# Altium PCB carrier_pcb.PcbDoc (part 2 of 3)
Units mm, origin at the board's own origin, x right, y up, seen from the top; angles counter-clockwise.
Board outline 87.63 x 93.34 mm, 6 copper layers (Top, GND-1, Layer 1, Layer 2, GND-2, Bottom), stack 1.536 mm thick; 197 components, 115 nets, 788 pads, 714 vias.
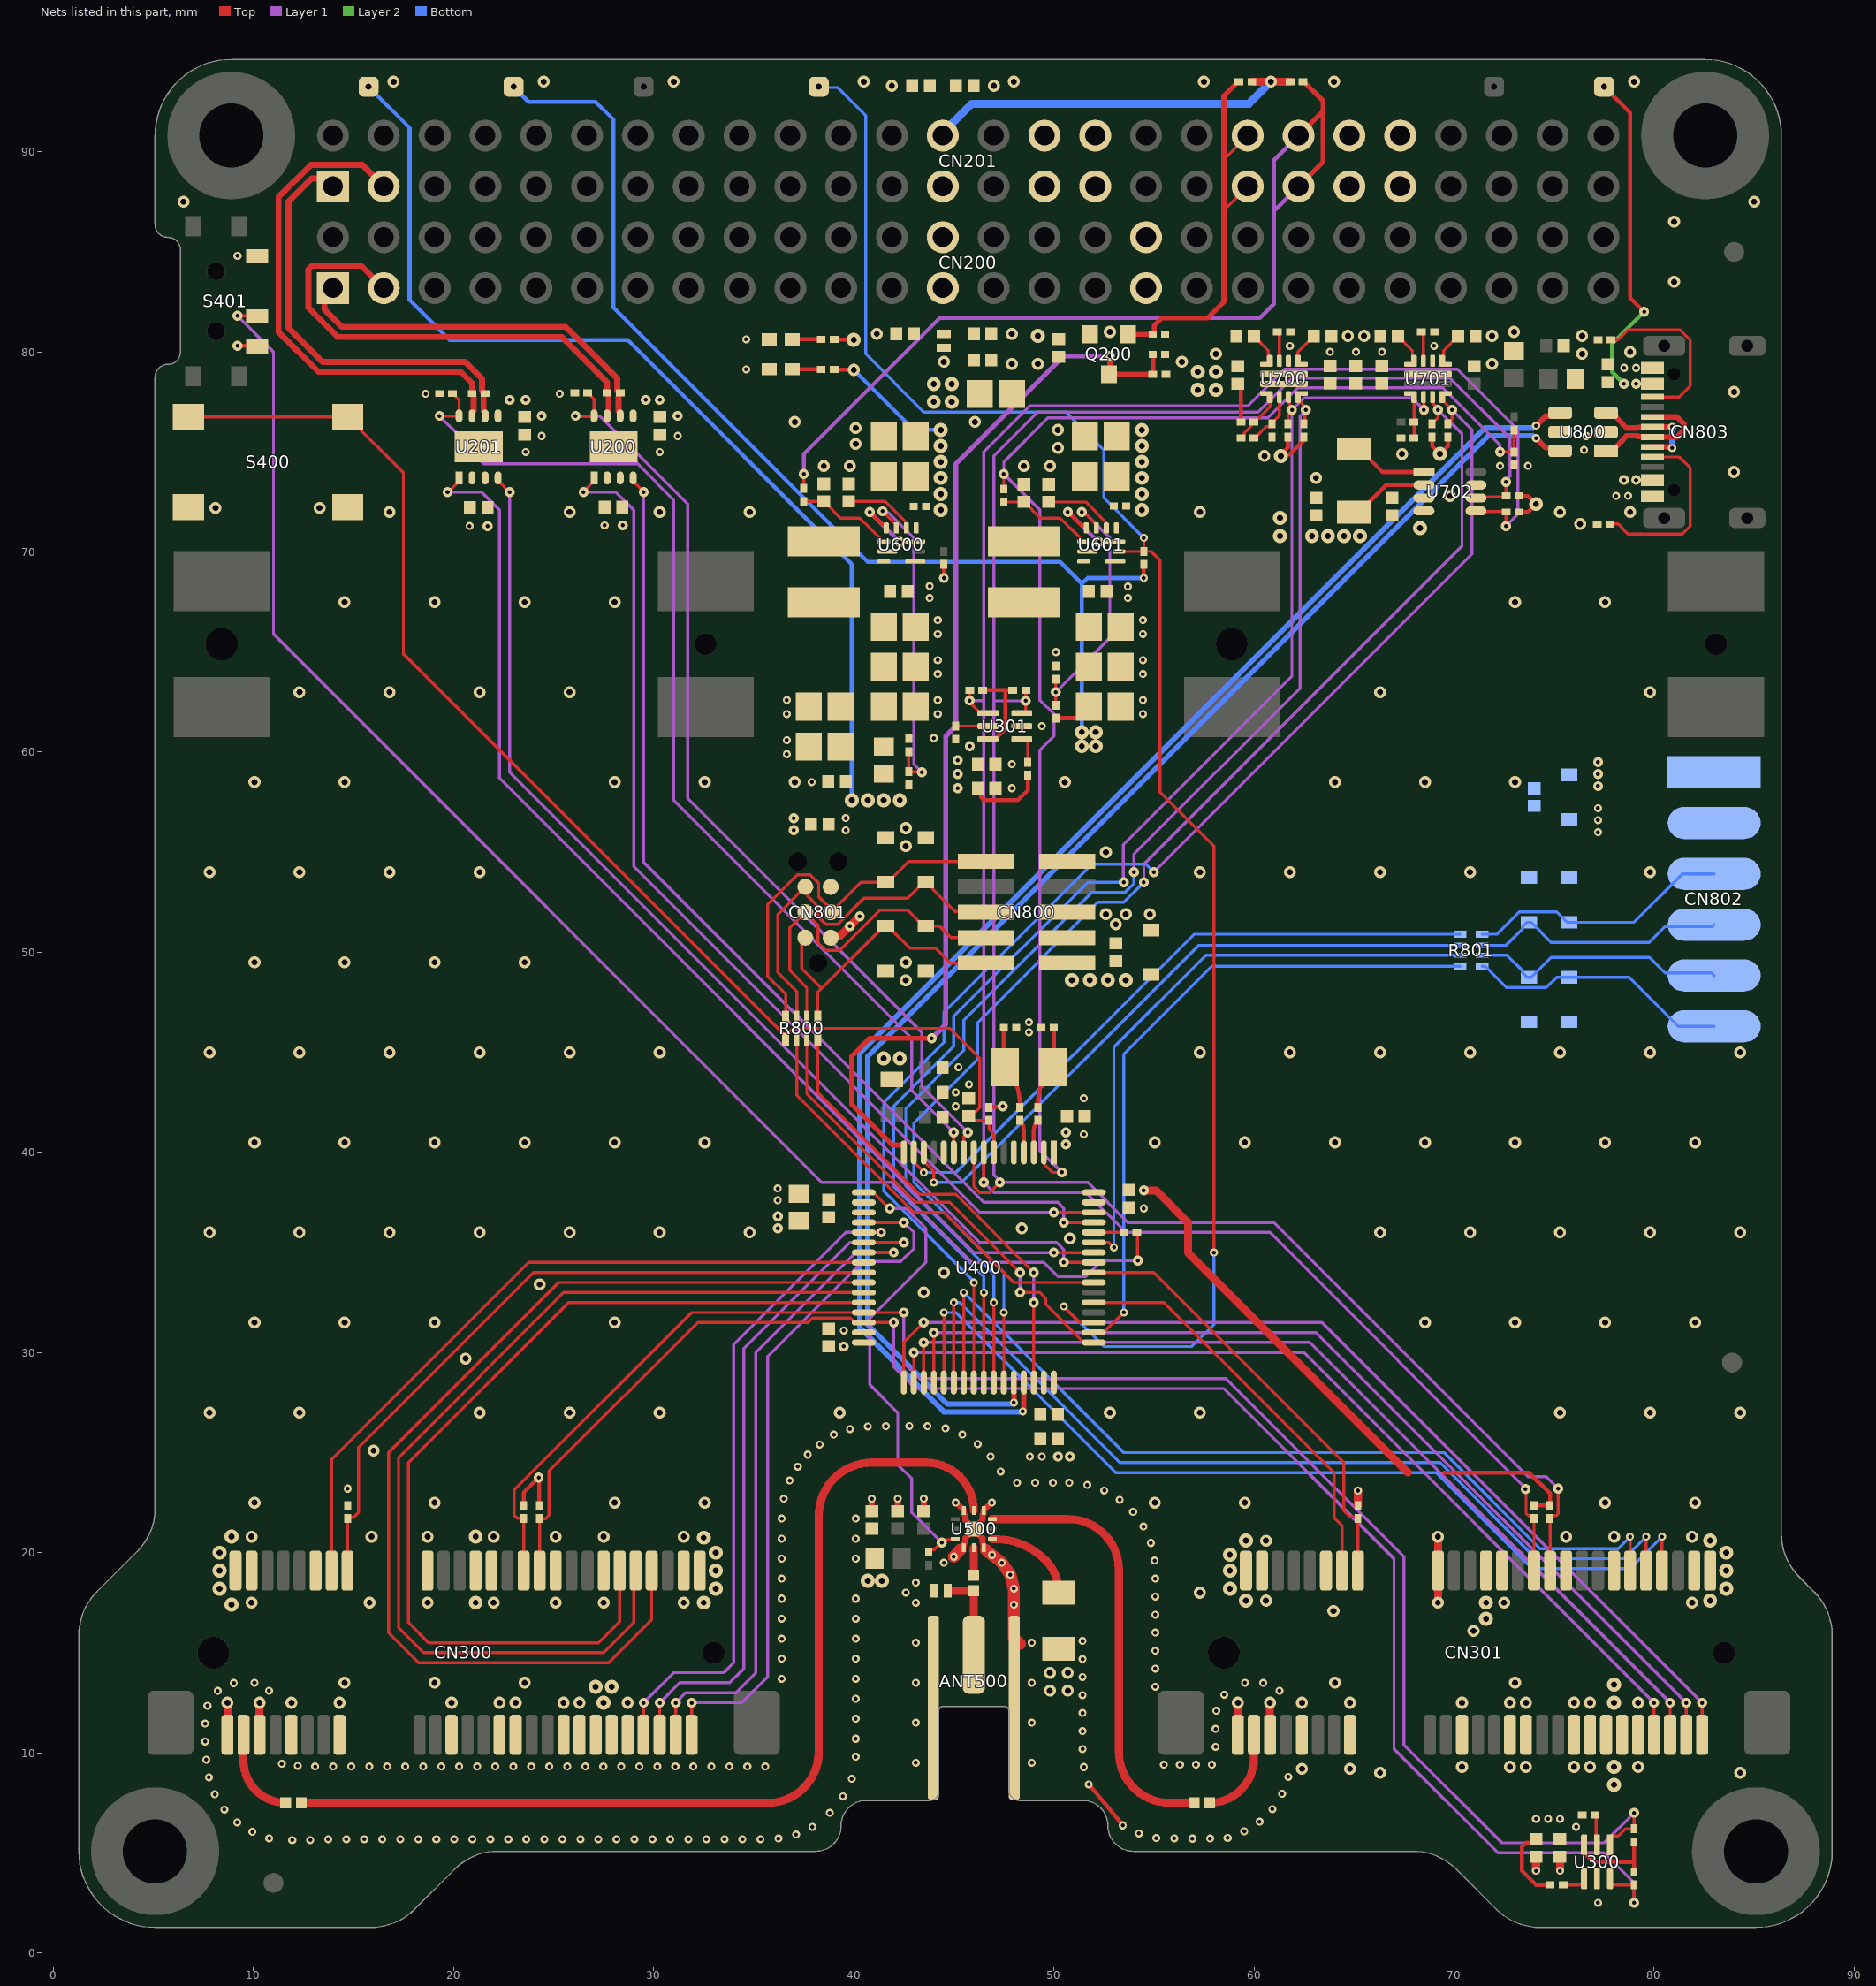
[diagram p6: the nets of this part, all layers, seen from the top]

## Part data (continued)
R300 R301 R400 R401 R501 R608 R609: library part AF0201FR-0710KL, "RES SMD 10K OHM 1% 1/20W 0201", Device Package="0201 (0603 Metric)", manufacturer=Yageo, Operating Temperature="-55°C ~ 125°C", Power (Watts)="0.05W, 1/20W", Ratings=AEC-Q200, Supplier Device Package=0201, Supplier Part Number 1=13-AF0201FR-0710KLCT-ND, Temperature Coefficient=±200ppm/°C, Tolerance=±1%, ComponentLink1Description=Datasheet, ComponentLink1URL=https://www.yageo.com/upload/media/product/productsearch/datasheet/rchip/PYu-AF_51_RoHS_L_9.pdf, componentlink2description="DigiKey Link", componentlink2url=https://www.digikey.com/en/products/detail/yageo/AF0201FR-0710KL/5900138, Composition="Thick Film", Features="Anti-Sulfur, Automotive AEC-Q200", Height - Seated (Max)="0.010\" (0.26mm)", lastupdated="04/06/2024 19:11:47", Lifecycle Status=Active, Minimum Order=1, Number of Terminations=2, Package / Case="0201 (0603 Metric)", packaging=TapeAndReel, Part Number=AF0201FR-0710KL, Part Status=Active, partid=78061, price=0.01, Resistance="10 kOhms", series=AF, Size / Dimension="0.024\" L x 0.012\" W (0.60mm x 0.30mm)", Supplier 1=DigiKey
R302 R303 R304 R305 R306 R307 R310 R311 R711 R712: library part AC0201FR-074K7L, "RES SMD 4.7K OHM 1% 1/20W 0201", Device Package="0201 (0603 Metric)", manufacturer=Yageo, Operating Temperature="-55°C ~ 155°C", Power (Watts)="0.05W, 1/20W", Ratings=AEC-Q200, Supplier Device Package=0201, Supplier Part Number 1=YAG3426CT-ND, Temperature Coefficient=±200ppm/°C, Tolerance=±1%, ComponentLink1Description=Datasheet, ComponentLink1URL=https://www.yageo.com/upload/media/product/productsearch/datasheet/rchip/PYu-AC_51_RoHS_L_7.pdf, componentlink2description="DigiKey Link", componentlink2url=https://www.digikey.com/en/products/detail/yageo/AC0201FR-074K7L/5894686, Composition="Thick Film", Features="Automotive AEC-Q200, Moisture Resistant", Height - Seated (Max)="0.010\" (0.26mm)", lastupdated="04/06/2024 19:11:59", Lifecycle Status=Active, Minimum Order=1, Number of Terminations=2, Package / Case="0201 (0603 Metric)", packaging=CutTape, Part Number=AC0201FR-074K7L, Part Status=Active, partid=978, price=0.01, Resistance="4.7 kOhms", series=AC, Size / Dimension="0.024\" L x 0.012\" W (0.60mm x 0.30mm)", Supplier 1=DigiKey
R308 R312: library part AC0201FR-0747KL, "RES SMD 47K OHM 1% 1/20W 0201", Device Package="0201 (0603 Metric)", manufacturer=Yageo, Operating Temperature="-55°C ~ 155°C", Power (Watts)="0.05W, 1/20W", Ratings=AEC-Q200, Supplier Device Package=0201, Supplier Part Number 1=YAG3425CT-ND, Temperature Coefficient=±200ppm/°C, Tolerance=±1%, ComponentLink1Description=Datasheet, ComponentLink1URL=https://www.yageo.com/upload/media/product/productsearch/datasheet/rchip/PYu-AC_51_RoHS_L_7.pdf, componentlink2description="DigiKey Link", componentlink2url=https://www.digikey.com/en/products/detail/yageo/AC0201FR-0747KL/5894664, Composition="Thick Film", Features="Automotive AEC-Q200, Moisture Resistant", Height - Seated (Max)="0.010\" (0.26mm)", lastupdated="04/06/2024 19:11:58", Lifecycle Status=Active, Minimum Order=1, Number of Terminations=2, Package / Case="0201 (0603 Metric)", packaging=TapeAndReel, Part Number=AC0201FR-0747KL, Part Status=Active, partid=1633, price=0.01, Resistance="47 kOhms", series=AC, Size / Dimension="0.024\" L x 0.012\" W (0.60mm x 0.30mm)", Supplier 1=DigiKey
R309 R313: library part CRCW020112K0FNED, "RES SMD 12K OHM 1% 1/20W 0201", Device Package="0201 (0603 Metric)", manufacturer="Vishay Dale", Operating Temperature="-55°C ~ 155°C", Power (Watts)="0.05W, 1/20W", Supplier Device Package=201, Supplier Part Number 1=541-CRCW020112K0FNEDCT-ND, Temperature Coefficient=±200ppm/°C, Tolerance=±1%, ComponentLink1Description=Datasheet, ComponentLink1URL=http://www.vishay.com/docs/20052/crcw0201e3.pdf, componentlink2description="DigiKey Link", componentlink2url=https://www.digikey.com/en/products/detail/vishay-dale/CRCW020112K0FNED/1199920, Composition="Thick Film", Height - Seated (Max)="0.010\" (0.26mm)", lastupdated="04/06/2024 19:11:56", Lifecycle Status=Active, Minimum Order=1, Number of Terminations=2, Package / Case="0201 (0603 Metric)", packaging=TapeAndReel, Part Number=CRCW020112K0FNED, Part Status=Active, partid=2144, price=0.01, Resistance="12 kOhms", series="CRCW0201 e3", Size / Dimension="0.024\" L x 0.012\" W (0.60mm x 0.30mm)", Supplier 1=DigiKey
R402 R403: library part AC0201JR-070RL, "RES SMD 0 OHM JUMPER 1/20W 0201", Device Package="0201 (0603 Metric)", manufacturer=Yageo, Operating Temperature="-55°C ~ 155°C", Power (Watts)="0.05W, 1/20W", Ratings=AEC-Q200, Supplier Device Package=0201, Supplier Part Number 1=YAG3427CT-ND, Tolerance=Jumper, ComponentLink1Description=Datasheet, ComponentLink1URL=https://www.yageo.com/upload/media/product/productsearch/datasheet/rchip/PYu-AC_51_RoHS_L_7.pdf, componentlink2description="DigiKey Link", componentlink2url=https://www.digikey.com/en/products/detail/yageo/AC0201JR-070RL/5894880, Composition="Thick Film", Features="Automotive AEC-Q200, Moisture Resistant", Height - Seated (Max)="0.010\" (0.26mm)", lastupdated="04/06/2024 19:12:00", Lifecycle Status=Active, Minimum Order=1, Number of Terminations=2, Package / Case="0201 (0603 Metric)", packaging=CutTape, Part Number=AC0201JR-070RL, Part Status=Active, partid=818, price=0.01, Resistance="0 Ohms", series=AC, Size / Dimension="0.024\" L x 0.012\" W (0.60mm x 0.30mm)", Supplier 1=DigiKey
R500: library part PHPA1206E49R9BST1, "THIN FILM RES SMD 49.9 OHM 0.1%", Device Package="1206 (3216 Metric)", manufacturer="Vishay Dale Thin Film", Operating Temperature="-55°C ~ 155°C", Power (Watts)=1W, Ratings=AEC-Q200, Supplier Device Package=1206, Supplier Part Number 1=764-PHPA1206E49R9BST1CT-ND, Temperature Coefficient=±25ppm/°C, Tolerance=±0.1%, ComponentLink1Description=Datasheet, ComponentLink1URL=https://www.vishay.com/docs/60160/phpa.pdf, componentlink2description="DigiKey Link", componentlink2url=https://www.digikey.com/en/products/detail/vishay-dale-thin-film/PHPA1206E49R9BST1/14555186, Composition="Thin Film", Features="Anti-Sulfur, Automotive AEC-Q200, High Power, Moisture Resistant", Height - Seated (Max)="0.020\" (0.51mm)", lastupdated="09/02/2024 20:53:25", Lifecycle Status=Active, Minimum Order=1, Number of Terminations=2, Package / Case="1206 (3216 Metric)", packaging=TapeAndReel, Part Number=PHPA1206E49R9BST1, Part Status=Active, partid=58771, price=0.76, Resistance="49.9 Ohms", series=PHPA, Size / Dimension="0.126\" L x 0.063\" W (3.20mm x 1.60mm)", Supplier 1=DigiKey
R601 R606: library part RC0201FR-0715K4L, "RES 15.4K OHM 1% 1/20W 0201", Device Package="0201 (0603 Metric)", manufacturer=Yageo, Operating Temperature="-55°C ~ 125°C", Power (Watts)="0.05W, 1/20W", Supplier Device Package=0201, Supplier Part Number 1=YAG2421CT-ND, Temperature Coefficient=±200ppm/°C, Tolerance=±1%, ComponentLink1Description=Datasheet, ComponentLink1URL=https://www.yageo.com/upload/media/product/productsearch/datasheet/rchip/PYu-RC_Group_51_RoHS_L_10.pdf, componentlink2description="DigiKey Link", componentlink2url=https://www.digikey.com/en/products/detail/yageo/RC0201FR-0715K4L/5280281, Composition="Thick Film", Features="Moisture Resistant", Height - Seated (Max)="0.010\" (0.26mm)", lastupdated="04/06/2024 19:12:00", Lifecycle Status=Active, Minimum Order=1, Number of Terminations=2, Package / Case="0201 (0603 Metric)", packaging=TapeAndReel, Part Number=RC0201FR-0715K4L, Part Status=Active, partid=714, price=0.01, Resistance="15.4 kOhms", series=RC_L, Size / Dimension="0.024\" L x 0.012\" W (0.60mm x 0.30mm)", Supplier 1=DigiKey
R602: library part CRCW02011K50JNED, "RES SMD 1.5K OHM 5% 1/20W 0201", Device Package="0201 (0603 Metric)", manufacturer="Vishay Dale", Operating Temperature="-55°C ~ 155°C", Power (Watts)="0.05W, 1/20W", Supplier Device Package=0201, Supplier Part Number 1=541-CRCW02011K50JNEDCT-ND, Temperature Coefficient=±200ppm/°C, Tolerance=±5%, ComponentLink1Description=Datasheet, ComponentLink1URL=http://www.vishay.com/docs/20052/crcw0201e3.pdf, componentlink2description="DigiKey Link", componentlink2url=http://digikey.com/product-detail/en/vishay-dale/CRCW02011K50JNED/541-CRCW02011K50JNEDCT-ND/10449419, Composition="Thick Film", Height - Seated (Max)="0.011\" (0.28mm)", lastupdated="04/06/2024 19:12:01", Lifecycle Status=Active, Minimum Order=1, Number of Terminations=2, Package / Case="0201 (0603 Metric)", packaging=CutTape, Part Number=CRCW02011K50JNED, Part Status=Active, partid=491, price=0.10, Resistance="1.5 kOhms", series=CRCW, Size / Dimension="0.024\" L x 0.012\" W (0.60mm x 0.30mm)", Supplier 1=DigiKey
R603 R607: library part RC0201FR-074K87L, "RES 4.87K OHM 1% 1/20W 0201", Device Package="0201 (0603 Metric)", manufacturer=Yageo, Operating Temperature="-55°C ~ 125°C", Power (Watts)="0.05W, 1/20W", Supplier Device Package=0201, Supplier Part Number 1=YAG2711CT-ND, Temperature Coefficient=±200ppm/°C, Tolerance=±1%, ComponentLink1Description=Datasheet, ComponentLink1URL=https://www.yageo.com/upload/media/product/productsearch/datasheet/rchip/PYu-RC_Group_51_RoHS_L_10.pdf, componentlink2description="DigiKey Link", componentlink2url=https://www.digikey.com/en/products/detail/yageo/RC0201FR-074K87L/5280571, Composition="Thick Film", Features="Moisture Resistant", Height - Seated (Max)="0.010\" (0.26mm)", lastupdated="04/06/2024 19:11:58", Lifecycle Status=Active, Minimum Order=1, Number of Terminations=2, Package / Case="0201 (0603 Metric)", packaging=TapeAndReel, Part Number=RC0201FR-074K87L, Part Status=Active, partid=1350, price=0.01, Resistance="4.87 kOhms", series=RC_L, Size / Dimension="0.024\" L x 0.012\" W (0.60mm x 0.30mm)", Supplier 1=DigiKey
R605: library part RC0201JR-07680RL, "RES 680 OHM 5% 1/20W 0201", Device Package="0201 (0603 Metric)", manufacturer=Yageo, Operating Temperature="-55°C ~ 125°C", Power (Watts)="0.05W, 1/20W", Supplier Device Package=0201, Supplier Part Number 1=311-680NCT-ND, Temperature Coefficient=±200ppm/°C, Tolerance=±5%, ComponentLink1Description=Datasheet, ComponentLink1URL=https://www.yageo.com/upload/media/product/productsearch/datasheet/rchip/PYu-RC_Group_51_RoHS_L_10.pdf, componentlink2description="DigiKey Link", componentlink2url=https://www.digikey.com/en/products/detail/yageo/RC0201JR-07680RL/1948962, Composition="Thick Film", Features="Moisture Resistant", Height - Seated (Max)="0.010\" (0.26mm)", lastupdated="04/06/2024 19:12:00", Lifecycle Status=Active, Minimum Order=1, Number of Terminations=2, Package / Case="0201 (0603 Metric)", packaging=CutTape, Part Number=RC0201JR-07680RL, Part Status=Active, partid=715, price=0.01, Resistance="680 Ohms", series=RC_L, Size / Dimension="0.024\" L x 0.012\" W (0.60mm x 0.30mm)", Supplier 1=DigiKey
R700 R701: library part RC0201FR-13470KL, "RES 470K OHM 1% 1/20W 0201", Device Package="0201 (0603 Metric)", manufacturer=Yageo, Operating Temperature="-55°C ~ 125°C", Power (Watts)="0.05W, 1/20W", Supplier Device Package=0201, Supplier Part Number 1=13-RC0201FR-13470KLCT-ND, Temperature Coefficient=±200ppm/°C, Tolerance=±1%, ComponentLink1Description=Datasheet, ComponentLink1URL=https://www.yageo.com/upload/media/product/products/datasheet/rchip/PYu-RC_Group_51_RoHS_L_12.pdf, componentlink2description="DigiKey Link", componentlink2url=https://www.digikey.com/en/products/detail/yageo/RC0201FR-13470KL/17017807, Composition="Thick Film", Features="Moisture Resistant", Height - Seated (Max)="0.010\" (0.26mm)", lastupdated="04/06/2024 19:11:46", Lifecycle Status=Active, Minimum Order=1, Number of Terminations=2, Package / Case="0201 (0603 Metric)", packaging=CutTape, Part Number=RC0201FR-13470KL, partid=84336, price=0.01, Resistance="470 kOhms", series=RC_L, Size / Dimension="0.024\" L x 0.012\" W (0.60mm x 0.30mm)", Supplier 1=DigiKey
R706: library part RC0201FR-0710K5L, "RES 10.5K OHM 1% 1/20W 0201", Device Package="0201 (0603 Metric)", manufacturer=Yageo, Operating Temperature="-55°C ~ 125°C", Power (Watts)="0.05W, 1/20W", Supplier Device Package=0201, Supplier Part Number 1=311-10.5KMCT-ND, Temperature Coefficient=±200ppm/°C, Tolerance=±1%, ComponentLink1Description=Datasheet, ComponentLink1URL=https://www.yageo.com/upload/media/product/productsearch/datasheet/rchip/PYu-RC_Group_51_RoHS_L_10.pdf, componentlink2description="DigiKey Link", componentlink2url=https://www.digikey.com/en/products/detail/yageo/RC0201FR-0710K5L/1948868, Composition="Thick Film", Features="Moisture Resistant", Height - Seated (Max)="0.010\" (0.26mm)", lastupdated="04/06/2024 19:12:00", Lifecycle Status=Active, Minimum Order=1, Number of Terminations=2, Package / Case="0201 (0603 Metric)", packaging=TapeAndReel, Part Number=RC0201FR-0710K5L, Part Status=Active, partid=781, price=0.01, Resistance="10.5 kOhms", series=RC_L, Size / Dimension="0.024\" L x 0.012\" W (0.60mm x 0.30mm)", Supplier 1=DigiKey
R707: library part RC0201FR-0759KL, "RES 59K OHM 1% 1/20W 0201", Device Package="0201 (0603 Metric)", manufacturer=Yageo, Operating Temperature="-55°C ~ 125°C", Power (Watts)="0.05W, 1/20W", Supplier Device Package=0201, Supplier Part Number 1=YAG2739CT-ND, Temperature Coefficient=±200ppm/°C, Tolerance=±1%, ComponentLink1Description=Datasheet, ComponentLink1URL=https://www.yageo.com/upload/media/product/productsearch/datasheet/rchip/PYu-RC_Group_51_RoHS_L_10.pdf, componentlink2description="DigiKey Link", componentlink2url=https://www.digikey.com/en/products/detail/yageo/RC0201FR-0759KL/5280599, Composition="Thick Film", Features="Moisture Resistant", Height - Seated (Max)="0.010\" (0.26mm)", lastupdated="04/06/2024 19:11:58", Lifecycle Status=Active, Minimum Order=1, Number of Terminations=2, Package / Case="0201 (0603 Metric)", packaging=TapeAndReel, Part Number=RC0201FR-0759KL, Part Status=Active, partid=1469, price=0.01, Resistance="59 kOhms", series=RC_L, Size / Dimension="0.024\" L x 0.012\" W (0.60mm x 0.30mm)", Supplier 1=DigiKey
R708: library part RC0201FR-0747KL, "RES 47K OHM 1% 1/20W 0201", Device Package="0201 (0603 Metric)", manufacturer=Yageo, Operating Temperature="-55°C ~ 125°C", Power (Watts)="0.05W, 1/20W", Supplier Device Package=0201, Supplier Part Number 1=311-47KMCT-ND, Temperature Coefficient=±200ppm/°C, Tolerance=±1%, ComponentLink1Description=Datasheet, ComponentLink1URL=https://www.yageo.com/upload/media/product/productsearch/datasheet/rchip/PYu-RC_Group_51_RoHS_L_10.pdf, componentlink2description="DigiKey Link", componentlink2url=https://www.digikey.com/en/products/detail/yageo/RC0201FR-0747KL/3202409, Composition="Thick Film", Features="Moisture Resistant", Height - Seated (Max)="0.010\" (0.26mm)", lastupdated="04/06/2024 19:11:56", Lifecycle Status=Active, Minimum Order=1, Number of Terminations=2, Package / Case="0201 (0603 Metric)", packaging=TapeAndReel, Part Number=RC0201FR-0747KL, Part Status=Active, partid=2291, price=0.01, Resistance="47 kOhms", series=RC_L, Size / Dimension="0.024\" L x 0.012\" W (0.60mm x 0.30mm)", Supplier 1=DigiKey
R709 R710: library part RC0201FR-071K8L, "RES 1.8K OHM 1% 1/20W 0201", Device Package="0201 (0603 Metric)", manufacturer=Yageo, Operating Temperature="-55°C ~ 125°C", Power (Watts)="0.05W, 1/20W", Supplier Device Package=0201, Supplier Part Number 1=YAG2492CT-ND, Temperature Coefficient=±200ppm/°C, Tolerance=±1%, ComponentLink1Description=Datasheet, ComponentLink1URL=https://www.yageo.com/upload/media/product/productsearch/datasheet/rchip/PYu-RC_Group_51_RoHS_L_10.pdf, componentlink2description="DigiKey Link", componentlink2url=https://www.digikey.com/en/products/detail/yageo/RC0201FR-071K8L/5280352, Composition="Thick Film", Features="Moisture Resistant", Height - Seated (Max)="0.010\" (0.26mm)", lastupdated="04/06/2024 19:11:58", Lifecycle Status=Active, Minimum Order=1, Number of Terminations=2, Package / Case="0201 (0603 Metric)", packaging=TapeAndReel, Part Number=RC0201FR-071K8L, Part Status=Active, partid=1426, price=0.01, Resistance="1.8 kOhms", series=RC_L, Size / Dimension="0.024\" L x 0.012\" W (0.60mm x 0.30mm)", Supplier 1=DigiKey
R713: library part L4T12FR010DER, "0.01 OHM 1206 0.5% 0.50W", Device Package="1206 (3216 Metric)", manufacturer=Ohmite, Operating Temperature="-55°C ~ 155°C", Power (Watts)="0.5W, 1/2W", Supplier Device Package=1206, Supplier Part Number 1=273-L4T12FR010DERCT-ND, Temperature Coefficient=±75ppm/°C, Tolerance=±0.5%, ComponentLink1Description=Datasheet, ComponentLink1URL=https://www.ohmite.com/assets/docs/acl_l4t.pdf, componentlink2description="DigiKey Link", componentlink2url=https://www.digikey.com/en/products/detail/ohmite/L4T12FR010DER/10385195, Composition="Thick Film", Features="Current Sense", Height - Seated (Max)="0.026\" (0.65mm)", lastupdated="03/06/2024 19:49:34", Lifecycle Status=Active, Minimum Order=1, Number of Terminations=4, Package / Case="1206 (3216 Metric)", packaging=CutTape, Part Number=L4T12FR010DER, Part Status=Active, partid=2184, price=0.08, Resistance="10 mOhms", series=L4T12, Size / Dimension="0.118\" L x 0.063\" W (3.00mm x 1.60mm)", Supplier 1=DigiKey
R800 R801: "RES ARRAY 4 RES 49.9 OHM 0804", manufacturer=Yageo, Number of Resistors=4, Operating Temperature="-55°C ~ 155°C", Package / Case="0804, Convex, Long Side Terminals", Power Per Element=62.5mW, Resistance (Ohms)=49.9, Supplier Part Number 1=YC124F-49.9CT-ND, Temperature Coefficient=±200ppm/°C, Tolerance=±1%, Applications="DDRAM, SDRAM", Circuit Type=Isolated, ComponentLink1Description=Datasheet, ComponentLink1URL=https://www.yageo.com/upload/media/product/productsearch/datasheet/rchip/PYu-YC_TC_group_51_RoHS_L_9.pdf, componentlink2description="DigiKey Link", componentlink2url=https://www.digikey.com/en/products/detail/yageo/YC124-FR-0749R9L/2827647, Height - Seated (Max)="0.022\" (0.55mm)", lastupdated="03/06/2024 20:05:56", Lifecycle Status=Active, Minimum Order=1, Mounting Type="Surface Mount", Number of Pins=8, packaging=TapeAndReel, Part Number=YC124-FR-0749R9L, Part Status=Active, partid=501, price=0.03, series=YC124, Size / Dimension="0.079\" L x 0.039\" W (2.00mm x 1.00mm)", Supplier 1=DigiKey
R802: library part ERJ-1GNF4303C, "RES SMD 430K OHM 1% 1/20W 0201", Device Package="0201 (0603 Metric)", manufacturer="Panasonic Electronic Components", Operating Temperature="-55°C ~ 125°C", Power (Watts)="0.05W, 1/20W", Ratings=AEC-Q200, Supplier Device Package=0201, Supplier Part Number 1=P123008CT-ND, Temperature Coefficient=±200ppm/°C, Tolerance=±1%, ComponentLink1Description=Datasheet, ComponentLink1URL=https://industrial.panasonic.com/cdbs/www-data/pdf/RDA0000/AOA0000C304.pdf, componentlink2description="DigiKey Link", componentlink2url=https://www.digikey.com/en/products/detail/panasonic-electronic-components/ERJ-1GNF4303C/2036412, Composition="Thick Film", Features="Automotive AEC-Q200", Height - Seated (Max)="0.010\" (0.26mm)", lastupdated="04/06/2024 19:11:52", Lifecycle Status=Active, Minimum Order=1, Number of Terminations=2, Package / Case="0201 (0603 Metric)", packaging=TapeAndReel, Part Number=ERJ-1GNF4303C, Part Status=Active, partid=4168, price=0.01, Resistance="430 kOhms", series=ERJ-1GN, Size / Dimension="0.024\" L x 0.012\" W (0.60mm x 0.30mm)", Supplier 1=DigiKey
R803: library part ERJ-1GNF6203C, "RES SMD 620K OHM 1% 1/20W 0201", Device Package="0201 (0603 Metric)", manufacturer="Panasonic Electronic Components", Operating Temperature="-55°C ~ 125°C", Power (Watts)="0.05W, 1/20W", Ratings=AEC-Q200, Supplier Device Package=0201, Supplier Part Number 1=P123107CT-ND, Temperature Coefficient=±200ppm/°C, Tolerance=±1%, ComponentLink1Description=Datasheet, ComponentLink1URL=https://industrial.panasonic.com/cdbs/www-data/pdf/RDA0000/AOA0000C304.pdf, componentlink2description="DigiKey Link", componentlink2url=https://www.digikey.com/en/products/detail/panasonic-electronic-components/ERJ-1GNF6203C/2036432, Composition="Thick Film", Features="Automotive AEC-Q200", Height - Seated (Max)="0.010\" (0.26mm)", lastupdated="04/06/2024 19:11:55", Lifecycle Status=Active, Minimum Order=1, Number of Terminations=2, Package / Case="0201 (0603 Metric)", packaging=TapeAndReel, Part Number=ERJ-1GNF6203C, Part Status=Active, partid=2410, price=0.01, Resistance="620 kOhms", series=ERJ-1GN, Size / Dimension="0.024\" L x 0.012\" W (0.60mm x 0.30mm)", Supplier 1=DigiKey
R804 R805: library part AC0201FR-075K1L, "RES SMD 5.1K OHM 1% 1/20W 0201", Device Package="0201 (0603 Metric)", manufacturer=Yageo, Operating Temperature="-55°C ~ 155°C", Power (Watts)="0.05W, 1/20W", Ratings=AEC-Q200, Supplier Device Package=0201, Supplier Part Number 1=YAG5228CT-ND, Temperature Coefficient=±200ppm/°C, Tolerance=±1%, ComponentLink1Description=Datasheet, ComponentLink1URL=https://www.yageo.com/upload/media/product/productsearch/datasheet/rchip/PYu-AC_51_RoHS_L_7.pdf, componentlink2description="DigiKey Link", componentlink2url=https://www.digikey.com/en/products/detail/yageo/AC0201FR-075K1L/5894738, Composition="Thick Film", Features="Automotive AEC-Q200, Moisture Resistant", Height - Seated (Max)="0.010\" (0.26mm)", lastupdated="04/06/2024 19:12:02", Lifecycle Status=Active, Minimum Order=1, Number of Terminations=2, Package / Case="0201 (0603 Metric)", packaging=TapeAndReel, Part Number=AC0201FR-075K1L, Part Status=Active, partid=225, price=0.01, Resistance="5.1 kOhms", series=AC, Size / Dimension="0.024\" L x 0.012\" W (0.60mm x 0.30mm)", Supplier 1=DigiKey
S400: library part CMP-1452-00002-2, Color=Orange, Contact Current Rating=50mA, Insulation Resistance=100MΩ, Max Operating Temperature=85°C, Min Operating Temperature=-40°C, Voltage Rating=12V, Actuator Length=900µm, Actuator Material="Liquid Crystal Polymer, Polymer", Contact Material="Stainless Steel, Steel", Contact Plating=Silver, Current Rating=50mA, Diameter=3.5mm, Height=4.3mm, Illumination Type="Illuminated, Non-Illuminated", Length=6.2mm, Mechanical Life=200kcycles, Mount="Surface Mount", NexarPartId=22861785, packaging="Tape and Reel", REACH SVHC="No SVHC", RoHS=Compliant, Switch Function=Off-Mom, Switch Travel=250µm, Termination="Gull Wing", Throw Configuration=SPST, Width=6.2mm
S401: "MINI SLIDE SWITCH 6.7 X 2.7 MM.", Current Rating (Amps)="300mA (DC)", manufacturer="Würth Elektronik", Operating Temperature="-40°C ~ 85°C", Rated Current=300mA, Rated Voltage=5VDC, Supplier Part Number 1=732-13665-1-ND, Voltage Rating - DC="5 V", Actuator Length=1.50mm, Actuator Type=Standard, Circuit=SPDT, ComponentLink1Description=Datasheet, ComponentLink1URL=https://katalog.we-online.de/em/datasheet/450404015514.pdf, componentlink2description="DigiKey Link", componentlink2url=https://www.digikey.com/en/products/detail/würth-elektronik/450404015514/9950812, Contact Finish=Silver, Contact Material="Copper Alloy", Contact Plating=Silver, Contact Timing="Non-Shorting (BBM)", lastupdated="20/06/2022 13:21:56", Lifecycle Status=Active, Minimum Order=1, Mounting Technology=SMT, Mounting Type="Surface Mount", packaging=TapeAndReel, Part Number=450404015514, Part Status=Active, partid=5, price=0.48, Published Date="September 2019", Publisher="Wurth Elektronik", series=WS-SLSU, Size=6.7x2.7mm, Supplier 1=DigiKey, Switch Function=On-On, Switching Function=On-On, Terminal Material="Copper Alloy", Terminal Plating=Silver, Termination Style="SMD (SMT) Tab"
U200 U201: library part "CAN MCP2542FDT-E/MF", "IC TRANSCEIVER 1/1 8DFN", Device Package="8-VDFN Exposed Pad", manufacturer="Microchip Technology", Operating Temperature="-40°C ~ 125°C", Supplier Device Package="8-DFN (3x3)", Supplier Part Number 1=MCP2542FDT-E/MFCT-ND, Voltage - Supply="4.5V ~ 5.5V", ComponentLink1Description=Datasheet, ComponentLink1URL=http://www.microchip.com/mymicrochip/filehandler.aspx?ddocname=en585412, componentlink2description="DigiKey Link", componentlink2url=http://digikey.com/product-detail/en/microchip-technology/MCP2542FDT-E-MF/MCP2542FDT-E-MFCT-ND/5975779, Data Rate=8Mbps, lastupdated="24/05/2020 23:09:12", Lifecycle Status=Active, Minimum Order=1, Mounting Type="Surface Mount", Number of Drivers/Receivers=1/1, Package / Case="8-VDFN Exposed Pad", packaging=TapeAndReel, Part Number=MCP2542FDT-E/MF, Part Status=Active, price=0.62, Protocol=CANbus, Receiver Hysteresis=200mV, series=-, Supplier 1=DigiKey, Type=Transceiver
U300 U301: "2.25 V low-voltage local digital temperature sensor"
U400: "Ultra-low-power Arm® Cortex®-M4 32-bit MCU+FPU, 100 DMIPS, up to 1 MB flash, 320 KB SRAM, USB OTG FS, audio, LQFP64"
U500: "0.4 to 3.0 GHz DPDT Switch"
U600 U601: "3-V to 17-V, 2-A/3-A Low Noise and Low Ripple Buck Converter with Integrated Ferrite Bead Filter Compensation"
U700 U701: "2.7-V–23-V, 5.5-A, 28-mΩ True Reverse Current Blocking eFuse with Input Reverse Polarity Protection. Variant: Adjustable OVLO, Active Current Limit, AUXOUT output, FAULT indicatori, Auto-Retry"
U702: "48-V, 16-Bit, Current, Voltage, and Power Monitor With an I2C Interface"
Y400: library part ABS07-32.768KHZ-9-1-T, "CRYSTAL 32.7680KHZ 9PF SMD", ESR (Equivalent Series Resistance)="70 kOhms", Frequency Tolerance=±10ppm, Load Capacitance=9pF, manufacturer="Abracon LLC", Operating Mode=Fundamental, Operating Temperature="-40°C ~ 85°C", Package / Case="2-SMD, No Lead", Supplier Part Number 1=535-13479-1-ND, ComponentLink1Description=Datasheet, ComponentLink1URL=https://abracon.com/Resonators/ABS07.pdf, componentlink2description="DigiKey Link", componentlink2url=https://www.digikey.com/en/products/detail/abracon-llc/ABS07-32-768KHZ-9-1-T/5980075, Frequency="32.768 kHz", Height - Seated (Max)="0.035\" (0.90mm)", lastupdated="03/06/2024 20:02:04", Lifecycle Status=Active, Minimum Order=1, Mounting Type="Surface Mount", packaging=TapeAndReel, Part Number=ABS07-32.768KHZ-9-1-T, Part Status=Active, partid=380, price=0.86, series=ABS07, Size / Dimension="0.126\" L x 0.059\" W (3.20mm x 1.50mm)", Supplier 1=DigiKey, Type="kHz Crystal (Tuning Fork)"

## Via types
v1: diameter 0.4/0.5/0.5/0.4 (per signal layer), hole 0.2, Top to Bottom, 397 vias
v2: diameter 0.6/0.7/0.7/0.6 (per signal layer), hole 0.3, Top to Bottom, 317 vias

## Nets (pads, with @x,y where several pads share a name; then routed paths per layer and width w, separated by ;. In a path a pad name is that pad's centre, name@x,y a point inside that pad or via, vN(x,y) a via of type N, cw(c..) or ccw(c..) an arc to the next point about the centre after c; other vN are vias at no path point)
ANTENNA_5: ANT500.1 C505.2 D500.2 | length 4.5
  Top w0.409: D500.2@44.7,18.1 C505.2@46,18.1 ANT500.1@46,14.9
BTN_BOOT0_4: R401.1 S401.2 | length 75.9
  Top w0.15: v1(9.2,81.8) 10.154,81.8 S401.2@10.178,81.776 ; R401.1@54.15,36 54.175,35.975 54.175,34.625 v1(54.2,34.6)
  Layer 1 w0.15: v1(9.2,81.8) 11,80 11,65.9 38.4,38.5 41.9,38.5 45.9,34.5 49.5,34.5 50.2,33.8 51.6,33.8 52.4,34.6 v1(54.2,34.6)
CAN1.RX: U200.4 U400.61 | length 49.8
  Top w0.15: U200.4@28.975,73.7 28.975,73.537 29.5,73.012 v1(29.5,73) ; v1(50.5,36.5) U400.61@52,36.5
  Layer 1 w0.15: v1(29.5,73) 29.5,54.5 46.5,37.5 50.2,37.5 50.5,37.2 v1(50.5,36.5)
CAN1.TX: U200.1 U400.62 | length 51.8
  Top w0.15: v1(26.5,73) 26.5,73.025 27.025,73.55 U200.1@27.025,73.7 ; v1(50,37) U400.62@52,37
  Layer 1 w0.15: v1(26.5,73) 28.1,73 29,72.1 29,54.3 46.3,37 v1(50,37)
CAN2.RX: U201.4 U400.57 | length 54.7
  Top w0.15: U201.4@22.225,73.7 22.225,73.562 22.788,73 v1(22.8,73) ; v1(50.5,34.5) U400.57@52,34.5
  Layer 1 w0.15: v1(22.8,73) 22.8,59 46.3,35.5 50.136,35.5 50.5,35.136 v1(50.5,34.5)
CAN2.TX: U201.1 U400.58 | length 56.8
  Top w0.15: v1(19.7,73) 19.725,73 20.275,73.55 U201.1@20.275,73.7 ; v1(50,35) U400.58@52,35
  Layer 1 w0.15: v1(19.7,73) 21.4,73 22.3,72.1 22.3,58.7 46,35 v1(50,35)
CAN_A_2_H: CN200.3 R200.2 U200.7 | length 24.2
  Top w0.3: CN200.3@16.51,83.19 15.4,84.3 12.926,84.3 12.75,84.124 12.75,82.207 13.195,81.762 14.207,80.75 25.4,80.75 27.499,78.651 27.675,78.475 R200.2@27.675,77.95 ; U200.7@27.675,76.8 27.675,76.964 27.75,77.039 R200.2@27.75,77.78
CAN_A_2_L: CN200.1 R200.1 U200.6 | length 19.1
  Top w0.3: CN200.1@13.97,83.19 13.548,82.768 13.548,82.116 14.414,81.25 25.607,81.25 25.9,80.957 27.706,79.151 28.175,78.682 28.175,78.055 28.28,77.95 R200.1@28.325,77.95 ; R200.1@28.25,77.78 28.25,77.039 28.325,76.964 U200.6@28.325,76.8
CAN_A_STBY: R201.2 U200.8 U400.10 | length 47.9
  Top w0.15: v1(26.1,76.8) U200.8@27.025,76.8 27.025,77.625 26.845,77.805 26.845,77.85 26.745,77.95 R201.2@26.7,77.95 ; U400.10@45.5,40 45.5,40.797 45.7,40.997 v1(45.7,41)
  Layer 1 w0.15: v1(26.1,76.8) 27.3,76.8 31.7,72.4 31.7,57.7 43.4,46 43.4,43.3 v1(45.7,41)
CAN_B_2_H: CN201.3 R204.2 U201.7 | length 25.3
  Top w0.3: CN201.3@16.51,88.27 15.435,89.345 12.868,89.345 11.25,87.727 11.25,81 13.25,79 20.37,79 20.925,78.445 R204.2@20.925,77.92 ; U201.7@20.925,76.8 20.925,76.964 21,77.039 R204.2@21,77.75
CAN_B_2_L: CN201.1 R204.1 U201.6 | length 21.7
  Top w0.3: CN201.1@13.97,88.27 13.574,88.666 12.896,88.666 11.75,87.52 11.75,81.207 13.457,79.5 20.577,79.5 21.425,78.652 21.425,78.025 21.53,77.92 R204.1@21.575,77.92 ; R204.1@21.5,77.75 21.5,77.039 21.575,76.964 U201.6@21.575,76.8
CAN_B_STBY: R205.2 U201.8 U400.11 | length 54.2
  Top w0.15: v1(19.3,76.8) U201.8@20.275,76.8 20.275,77.595 20.095,77.775 20.095,77.82 19.995,77.92 R205.2@19.95,77.92 ; U400.11@45,40 v1(45,41)
  Layer 1 w0.15: v1(19.3,76.8) 20.433,75.667 20.433,75.467 21.5,74.4 29.2,74.4 31,72.6 31,57.6 42.9,45.7 42.9,43.1 v1(45,41)
DC3V3.EN_6: C613.2 R608.1 U600.1 | length 4.9
  Top w0.15: R608.1@37.5,72.525 C613.2@38.5,72.525 38.52,72.525 39.345,71.7 40.3,71.7 40.775,71.225 41.281,70.719 41.281,70.55 41.306,70.525 U600.1@41.5,70.525
DC3V3.FB_6: R601.1 R603.2 U600.9 | length 16.8
  Top w0.15: v1(41.436,72.036) 41.443,72.036 41.95,71.529 41.95,71.525 42.125,71.35 U600.9@42.125,71.2 ; R603.2@42.75,60.025 R601.1@42.75,59.025 42.763,59.012 43.388,59.012 v1(43.4,59)
  Layer 1 w0.15: v1(41.436,72.036) 41.503,71.969 41.731,71.969 43,70.7 43,59.4 v1(43.4,59)
DC3V3.SS_6: C607.2 U600.8 | length 3.6
  Top w0.15: C607.2@39.75,72.525 41.575,72.525 42.6,71.5 42.6,71.225 U600.8@42.625,71.2
DC3V3.SW_6: L600.1 U600.2
DC3V3.VO_6: C600.2 C601.2 C602.2 C603.2 FB600.1 L600.2 U600.3
GND: ANT500.2 C200.1 C201.1 C202.1 C203.1 C204.1 C205.1 C206.1 C207.1 C208.1 C209.1 C210.1 C211.1 C212.1 C300.1 C301.1 C302.1 C303.1 C400.1 C401.1 C402.1 C403.1 C404.1 C405.1 C406.1 C407.1 C408.1 C409.1 C410.1 C411.1 C412.1 C501.1 C502.1 C503.1 C600.1 C601.1 C602.1 C603.1 C604.1 C605.1 C606.1 C607.1 C608.1 C609.1 C610.1 C611.1 C612.1 C613.1 C614.1 C615.1 C616.1 C617.1 C618.1 C619.1 C620.1 C700.1 C701.1 C702.1 C703.1 C704.1 C705.1 C706.1 C707.1 C708.1 C709.1 C710.1 C800.1 C801.1 C802.1 C803.1 C804.1 C805.1 CN200.33 CN200.34 CN201.29 CN201.30 CN201.31 CN201.32 CN201.41 CN201.42 CN201.43 CN201.44 CN300.1 CN300.4 CN300.5 CN300.9 CN300.15 CN300.18 CN300.21 CN300.26 CN300.27 CN300.29 CN300.34 CN300.35 CN300.37 CN300.40 CN300.43 CN300.50 CN301.1 CN301.4 CN301.5 CN301.9 CN301.15 CN301.18 CN301.21 CN301.26 CN301.27 CN301.29 CN301.34 CN301.35 CN301.37 CN301.40 CN301.43 CN301.50 CN800.3 CN800.5 CN800.9 CN801.5 CN802.2 CN803.A1-B12 CN803.B1-A12 D200.1 D500.1 D600.2 D601.2 D800.1 D801.1 D802.1 D803.1 D804.1 D805.1 D806.1 D807.1 D808.1 D809.1 R201.1 R205.1 R206.2 R300.1 R301.1 R500.1 R603.1 R607.1 R707.1 R708.1 R709.1 R710.1 R803.1 R804.1 R805.1 S400.A1 S400.A2 S401.1 U200.0 U200.2 U201.0 U201.2 U300.5 U301.5 U400.12 U400.18 U400.31 U400.47 U400.63 U500.0 U500.4 U500.6 U500.10 U500.12 U600.4 U600.7 U601.4 U601.7 U700.8 U701.8 U702.3 U702.7 U800.2 | length 28
  Top w0.2: v1(51.749,8.422) 52.647,7.348 cw(c52.417,7.156) 52.649,7.346 v1(53.445,6.372)
  Top w0.3: C501.1@40.9,22.08 v1(40.9,22.7) ; C502.1@42.2,22.08 v1(42.2,22.7) ; C503.1@43.5,22.08 v1(43.5,22.7) ; v1(45.1,22.5) 45.119,22.481 45.149,22.481 45.5,22.13 45.5,21.959 45.565,21.894 45.565,21.637 U500.0@46,21.202 ; U500.4@45.455,20.292 45.537,20.459 ccw(c45.29,20.58) 45.565,20.58 45.565,20.723 46,21.158 46.435,20.723 46.435,20.58 ccw(c46.71,20.58) 46.441,20.522 U500.6@46.5,20.25 ; U500.0@46,21.18 U500.0@46,21.202 ; v1(46.9,22.5) 46.881,22.481 46.851,22.481 46.5,22.13 U500.10@46.5,22.11 46.48,22.09 46.48,21.939 46.435,21.894 46.435,21.637 U500.0@46,21.202
  Top w0.4: CN300.1@8.7,10.9 v2(8.7,12.5) ; CN300.5@10.3,10.9 v2(10.3,12.5) ; 45.317,20.143 U500.4@45.455,20.292 ; CN301.1@59.2,10.9 v2(59.2,12.5) ; CN301.5@60.8,10.9 v2(60.8,12.5) ; R301.1@65.2,22.35 v1(65.2,23.1) ; v2(69.2,17.5) CN301.18@69.2,19.1 v2(69.2,20.8) ; v1(74.1,4.1) C301.1@74.1,4.8 ; v1(75.3,4.1) C300.1@75.3,4.8
  Top w0.6: v1(45,19.8) 45.317,20.143 ; 46.619,20.131 46.627,20.121 ccw(c47.103,20.486) 46.747,20.003 46.748,20.002 v1(46.906,19.886) v1(47.4,19.5) v1(47.821,18.898) v1(48,18.2) v1(48,17.4) 48,15.74 48.3,15.44
  other v1: 77.2,2.5 11.938,5.64 12.838,5.639 13.737,5.684 14.637,5.684 15.537,5.684 16.437,5.684 17.337,5.684 18.237,5.684 19.137,5.684 20.037,5.684 20.937,5.684 21.837,5.684 22.737,5.684 23.637,5.684 24.537,5.684 25.437,5.684 26.337,5.684 27.237,5.684 28.137,5.684 29.037,5.684 29.937,5.684 30.837,5.684 31.737,5.684 32.637,5.684 33.537,5.684 34.437,5.684 35.337,5.684 36.236,5.716 56.923,5.71 57.81,5.717 10.787,5.724 55.119,5.738 56.023,5.729 58.684,5.747 37.113,5.917 54.249,5.967 9.949,6.05 59.522,6.075 37.93,6.296 9.185,6.526 60.285,6.554 38.8,7 8.546,7.16 60.924,7.188 39.462,7.822 8.065,7.921 61.408,7.946 39.9,8.7 7.774,8.773 61.713,8.793 51.5,9.287 13.083,9.316 13.983,9.316 14.883,9.316 15.783,9.316 16.683,9.316 17.583,9.316 18.483,9.316 19.383,9.316 20.283,9.316 21.183,9.316 22.083,9.316 22.983,9.316 23.883,9.316 24.783,9.316 25.683,9.316 26.583,9.316 27.483,9.316 28.383,9.316 29.283,9.316 30.183,9.316 31.083,9.316 31.983,9.316 32.883,9.316 33.783,9.316 34.683,9.316 35.583,9.316 12.207,9.344 55.5,9.4 56.3,9.4 57.1,9.4 57.9,9.4 11.413,9.452 43.1,9.5 48.9,9.5 7.633,9.662 40.1,9.8 51.434,10.185 58.08,10.295 7.58,10.56 40.1,10.7 51.434,11.085 58.08,11.195 7.58,11.46 43.1,11.5 48.9,11.5 40.1,11.7 51.434,11.985 58.12,12.094 7.698,12.352 40.1,12.7 51.434,12.885 58.516,12.902 8.21,13.093 10.777,13.104 61.277,13.104 55.066,13.305 9.02,13.484 60.464,13.489 10.05,13.5 43.1,13.5 48.9,13.5 59.55,13.5 36.4,13.7 40.1,13.7 51.434,13.785 55.066,14.205 51.434,14.685 36.4,14.7 40.1,14.7 55.066,15.105 43.1,15.5 48.9,15.5 51.434,15.585 36.4,15.7 40.1,15.7 55.066,16.005 36.4,16.7 40.1,16.7 55.066,16.905 43.1,17.5 36.4,17.7 40.1,17.7 55.066,17.805 42.6,18 43.1,18.5 36.4,18.7 55.066,18.705 44.5,19.5 55.039,19.604 36.4,19.7 40.1,19.7 54.851,20.484 36.4,20.7 40.1,20.7 54.487,21.307 36.4,21.7 40.1,21.7 53.96,22.037 53.295,22.644 36.5,22.7 52.52,23.101 14.7,23.2 51.666,23.386 48.159,23.496 49.059,23.496 49.959,23.496 50.773,23.495 36.8,23.6 47.338,24.051 37.2,24.3 46.839,24.8 48.8,24.8 49.4,24.8 37.7,24.9 38.3,25.4 46.193,25.427 39,25.9 45.429,25.903 39.815,26.177 44.582,26.206 40.705,26.31 41.605,26.316 43.689,26.317 42.782,26.33 39.5,31.1 54.5,37.2 36.2,37.6 36.2,38.2 51.5,40.9 45.1,42.3 51.5,42.7 45.1,43 45.758,43.395 45.228,44.259 48.75,46 48.75,46.5 77.2,56 39.6,56.1 77.2,56.6 39.6,56.7 77.2,57.2 47.9,58.2 37.9,58.5 47.9,59.4 36.65,59.9 36.65,60.6 44,60.7 49.4,61.3 36.65,61.9 44.2,61.9 54.45,61.9 36.65,62.6 44.2,62.6 54.45,62.6 44.2,63.9 54.45,63.9 44.2,64.6 54.45,64.6 50.1,65 44.2,65.9 54.45,65.9 44.2,66.6 54.45,66.6 43.8,67.7 53.7,67.7 53.7,68.275 43.8,68.3 20.8,71.3 27.55,71.33 78.1,72.8 78.7,72.8 72.3,74.3 73.7,74.3 23.6,75 30.3,75 76.5,75.1 24.4,75.8 31.2,75.8 76.6,75.8 18.6,77.9 25.3,77.9 34.62,79.125 78.5,79.2 79.1,79.2 63.8,80 65.1,80 66.4,80 61.8,80.3 69,80.3 34.62,80.625 9.2,84.8
  other v2: 66.3,9 84.3,9 62.4,9.2 64.8,9.2 70.4,9.3 72.8,9.3 73.6,9.3 76,9.3 76.8,9.3 79.2,9.3 11.9,12.5 14.3,12.5 19.9,12.5 22.3,12.5 23.1,12.5 25.5,12.5 26.3,12.5 28.7,12.5 62.4,12.5 64.8,12.5 70.4,12.5 72.8,12.5 73.6,12.5 76,12.5 76.8,12.5 79.2,12.5 49.8,13.1 50.7,13.1 14.55,13.5 19.05,13.5 23.55,13.5 64.05,13.5 73.05,13.5 49.8,14 50.7,14 70.973,16.085 63.973,17.085 9.9,17.5 15.8,17.5 18.7,17.5 22,17.5 25.1,17.5 27.5,17.5 31.5,17.5 72.5,17.5 81.9,17.5 60.6,17.6 57.3,18 60.6,20.6 9.9,20.8 15.9,20.8 18.7,20.8 22,20.8 25.1,20.8 27.5,20.8 31.5,20.8 75.6,20.8 78,20.8 81.9,20.8 10.05,22.5 19.05,22.5 28.05,22.5 32.55,22.5 55.05,22.5 59.55,22.5 77.55,22.5 82.05,22.5 16,25.1 7.8,27 12.3,27 21.3,27 25.8,27 30.3,27 39.3,27 52.8,27 57.3,27 75.3,27 79.8,27 84.3,27 20.6,29.7 10.05,31.5 14.55,31.5 19.05,31.5 28.05,31.5 68.55,31.5 73.05,31.5 77.55,31.5 82.05,31.5 43.5,33 24.3,33.4 44.5,34 50.8,35.7 7.8,36 12.3,36 16.8,36 21.3,36 25.8,36 30.3,36 34.8,36 66.3,36 70.8,36 75.3,36 79.8,36 84.3,36 48.4,36.2 10.05,40.5 14.55,40.5 19.05,40.5 23.55,40.5 28.05,40.5 32.55,40.5 55.05,40.5 59.55,40.5 64.05,40.5 68.55,40.5 73.05,40.5 77.55,40.5 82.05,40.5 7.8,45 12.3,45 16.8,45 21.3,45 25.8,45 30.3,45 57.3,45 61.8,45 66.3,45 70.8,45 75.3,45 79.8,45 84.3,45 42.6,48.6 10.05,49.5 14.55,49.5 19.05,49.5 23.55,49.5 42.6,49.5 53.1,51.4 52.6,51.9 53.6,51.9 54.8,51.9 7.8,54 12.3,54 16.8,54 21.3,54 57.3,54 61.8,54 66.3,54 70.8,54 79.8,54 52.6,55 42.6,55.3 42.6,56.2 10.05,58.5 14.55,58.5 28.05,58.5 32.55,58.5 37.05,58.5 50.55,58.5 64.05,58.5 68.55,58.5 73.05,58.5 12.3,63 16.8,63 21.3,63 25.8,63 66.3,63 79.8,63 14.55,67.5 19.05,67.5 23.55,67.5 28.05,67.5 73.05,67.5 77.55,67.5 76.3,71.4 16.8,72 25.8,72 30.3,72 34.8,72 57.3,72 75.3,72 78.8,72 8.1,72.2 13.3,72.2 69.8,72.8 63.1,73.7 84,74 38.5,74.3 39.8,74.3 48.5,74.3 49.8,74.3 60.525,74.8 67.4,74.9 50.2,75.2 40.1,75.4 50.2,76.1 40.1,76.2 37.05,76.5 46.05,76.5 84,78 47.9,79.4 49.2,79.4 71.9,79.4 44.5,79.5 56.4,79.5 58.1,79.9 76.4,79.9 78.8,80 64.7,80.8 65.5,80.8 71.9,80.8 76.4,80.8 41.15,80.9 47.9,80.9 52.8,81 73,81 81,83.5 81,86.5 6.5,87.5 85,87.5 41.9,93.3 47,93.3 17,93.5 24.5,93.5 31,93.5 40.5,93.5 48,93.5 57.5,93.5 64,93.5 79,93.5